# Altium PCB FYDP_rev1.PcbDoc
Units mil, origin at the board's own origin, x right, y up, seen from the top; angles counter-clockwise.
Board outline 1771.65 x 2559.06 mil, 4 copper layers (Top Layer, GND1, GND2, Bottom Layer), stack 61.811 mil thick; 73 components, 47 nets, 219 pads, 170 vias.
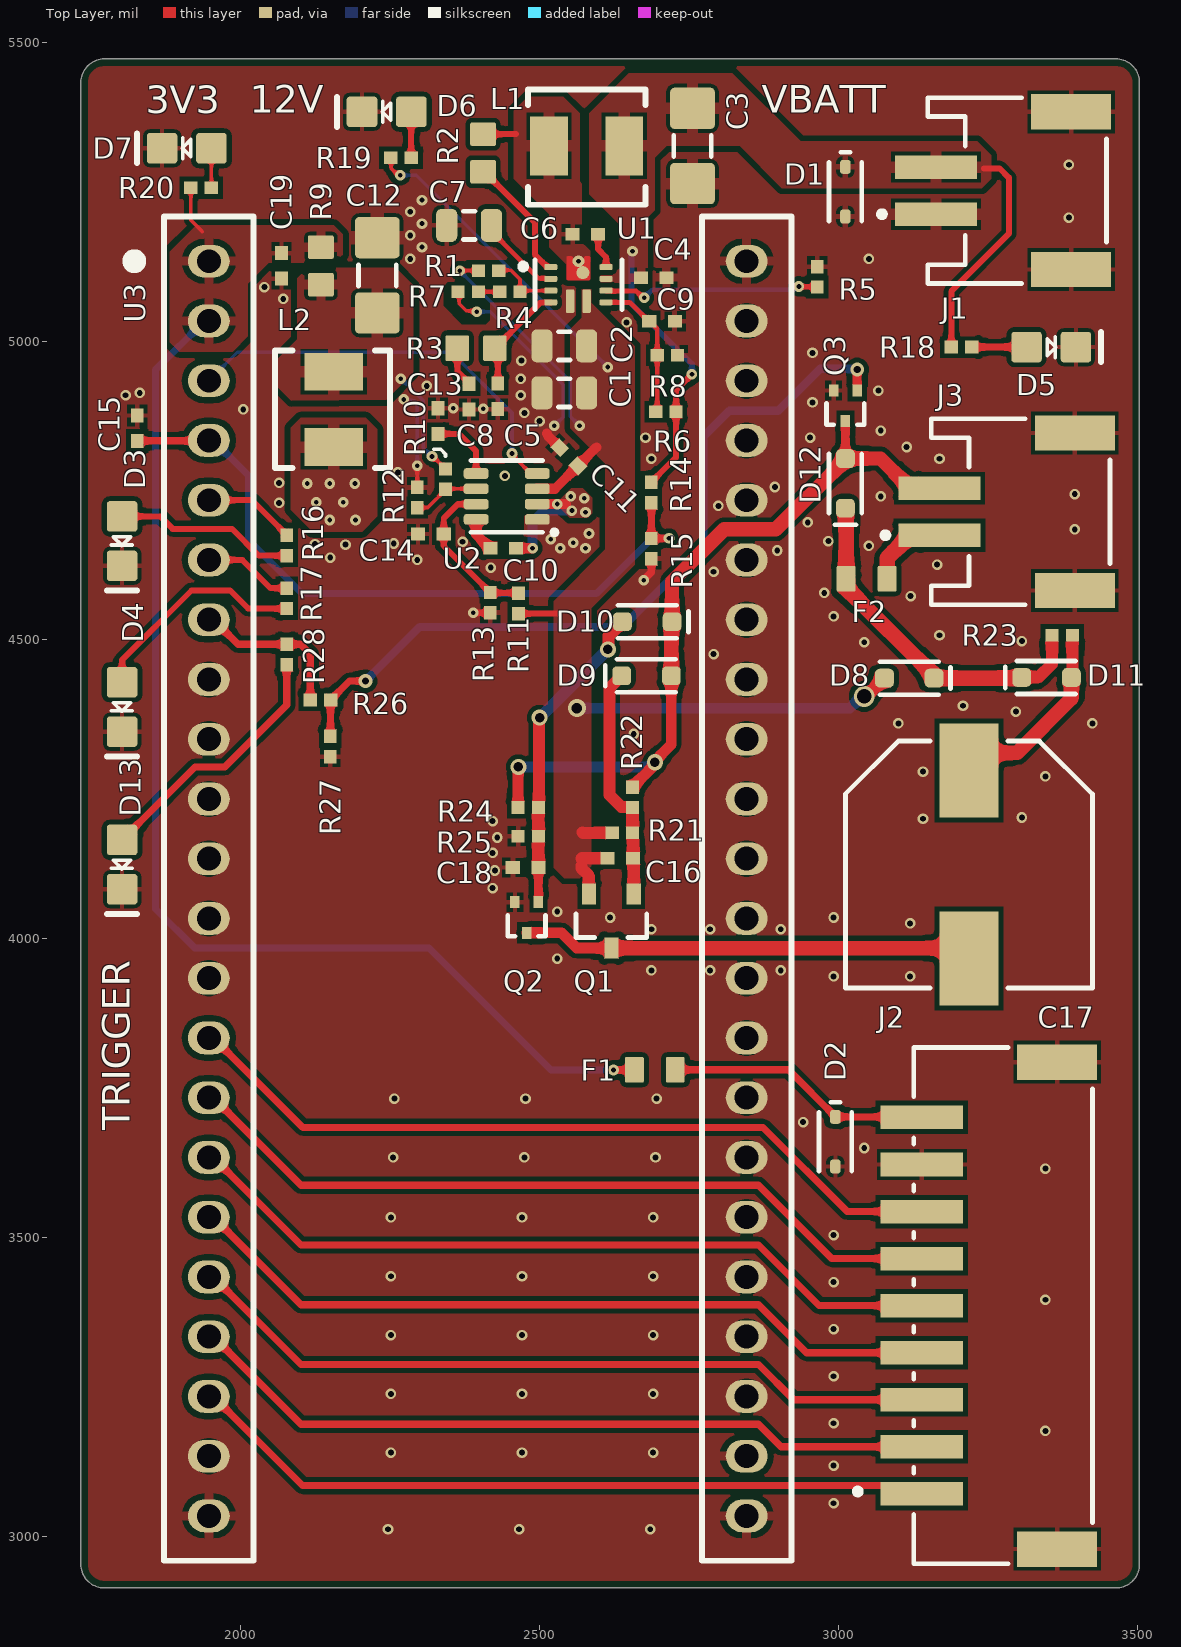
[diagram p0: Top Layer view]
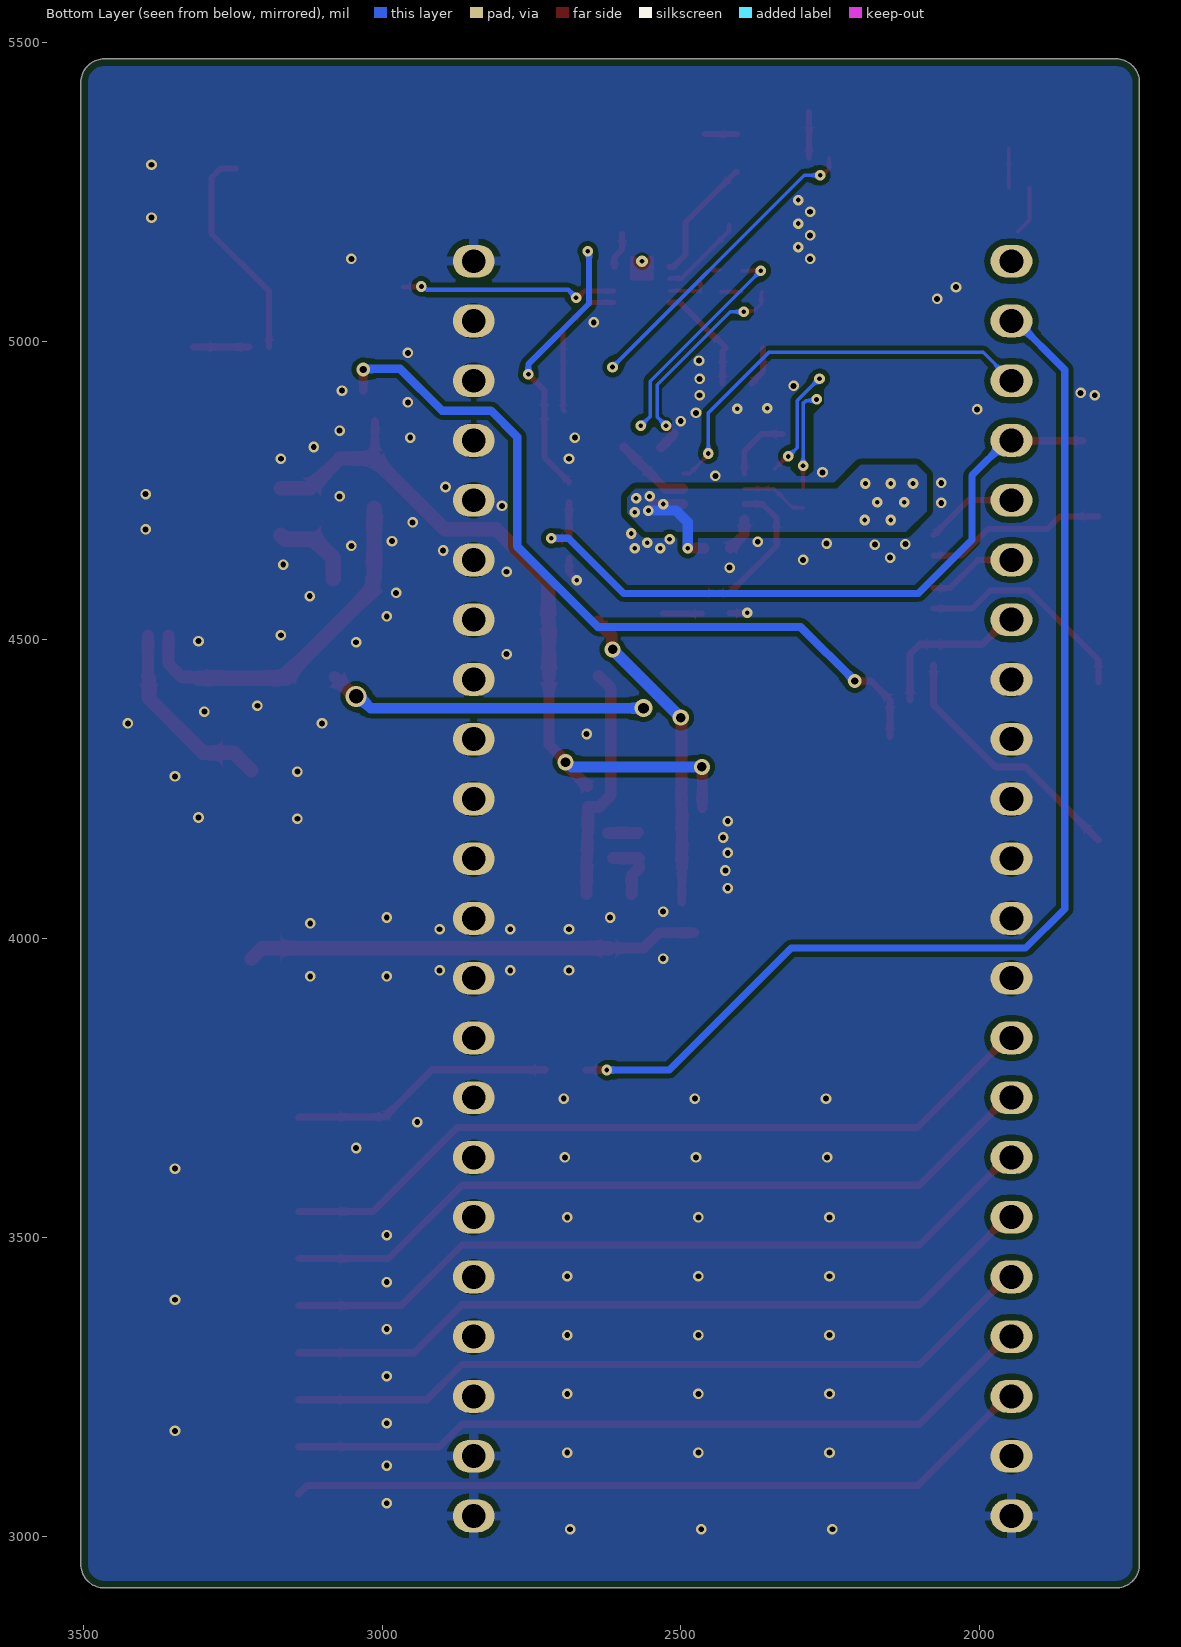
[diagram p1: Bottom Layer view, seen from below]
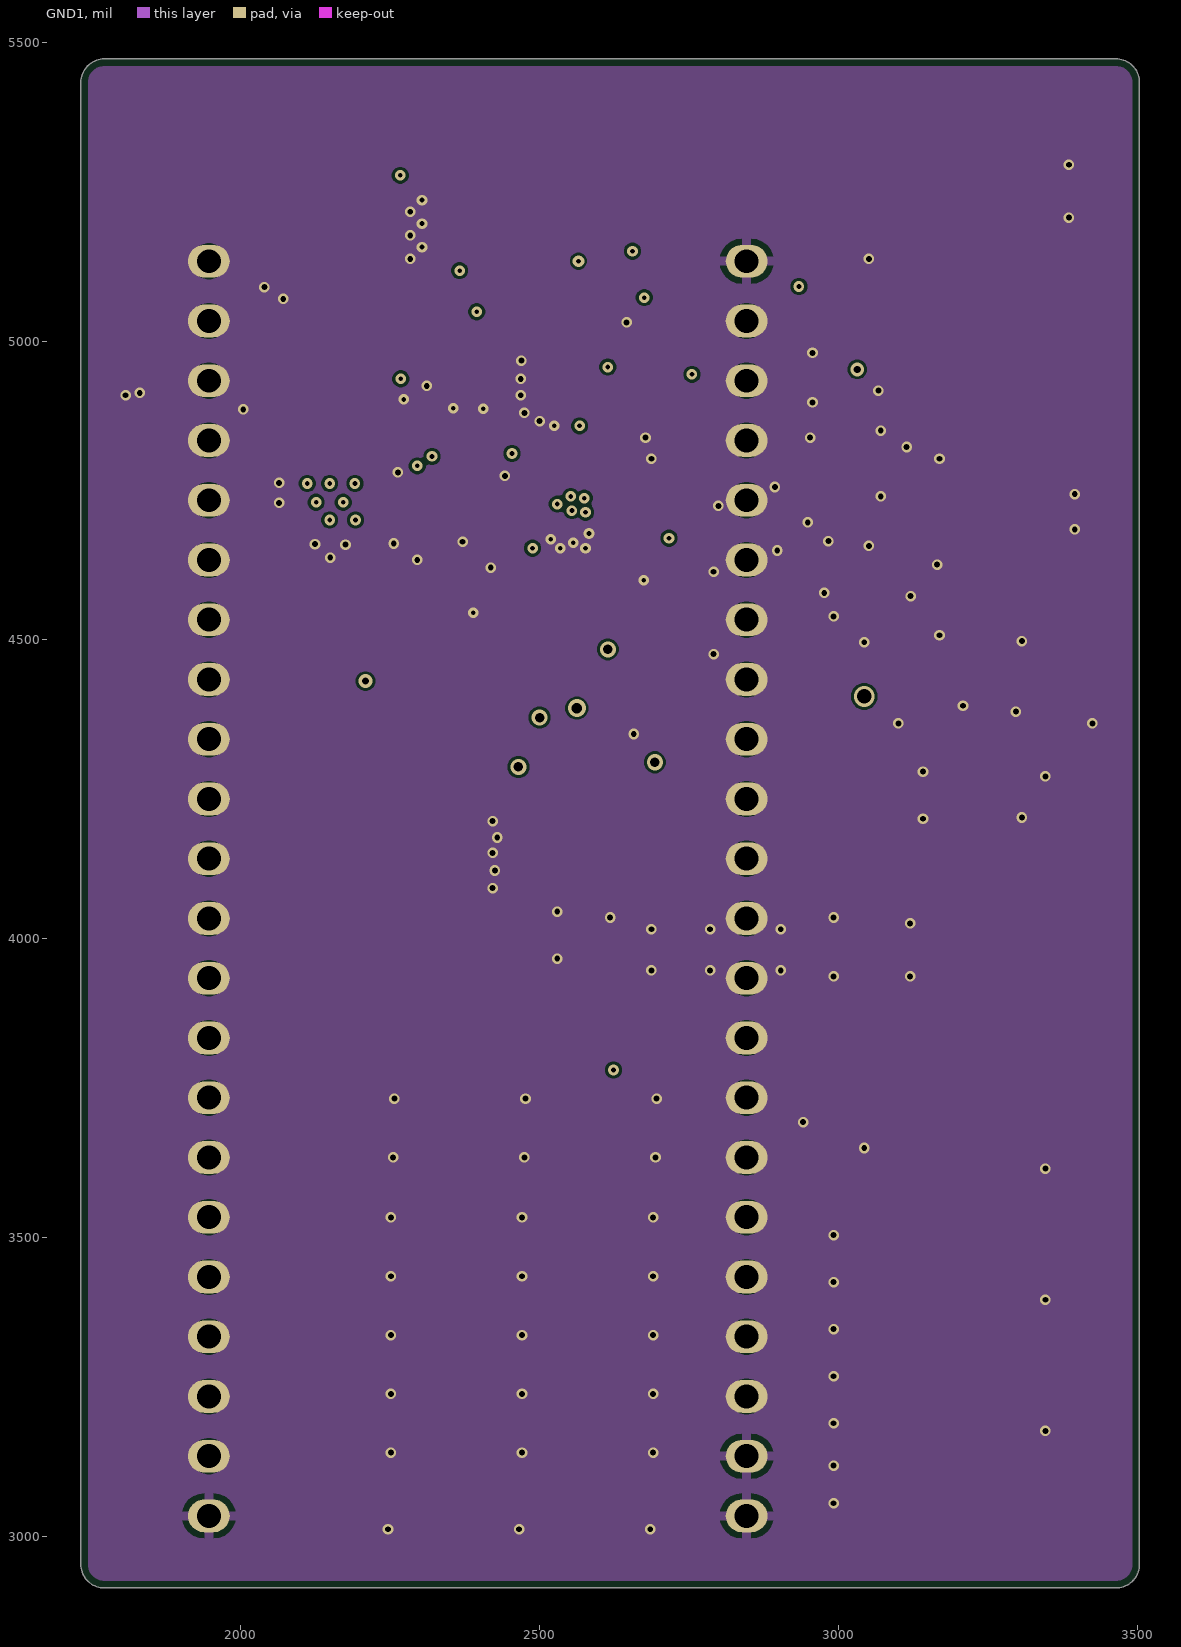
[diagram p2: GND1]
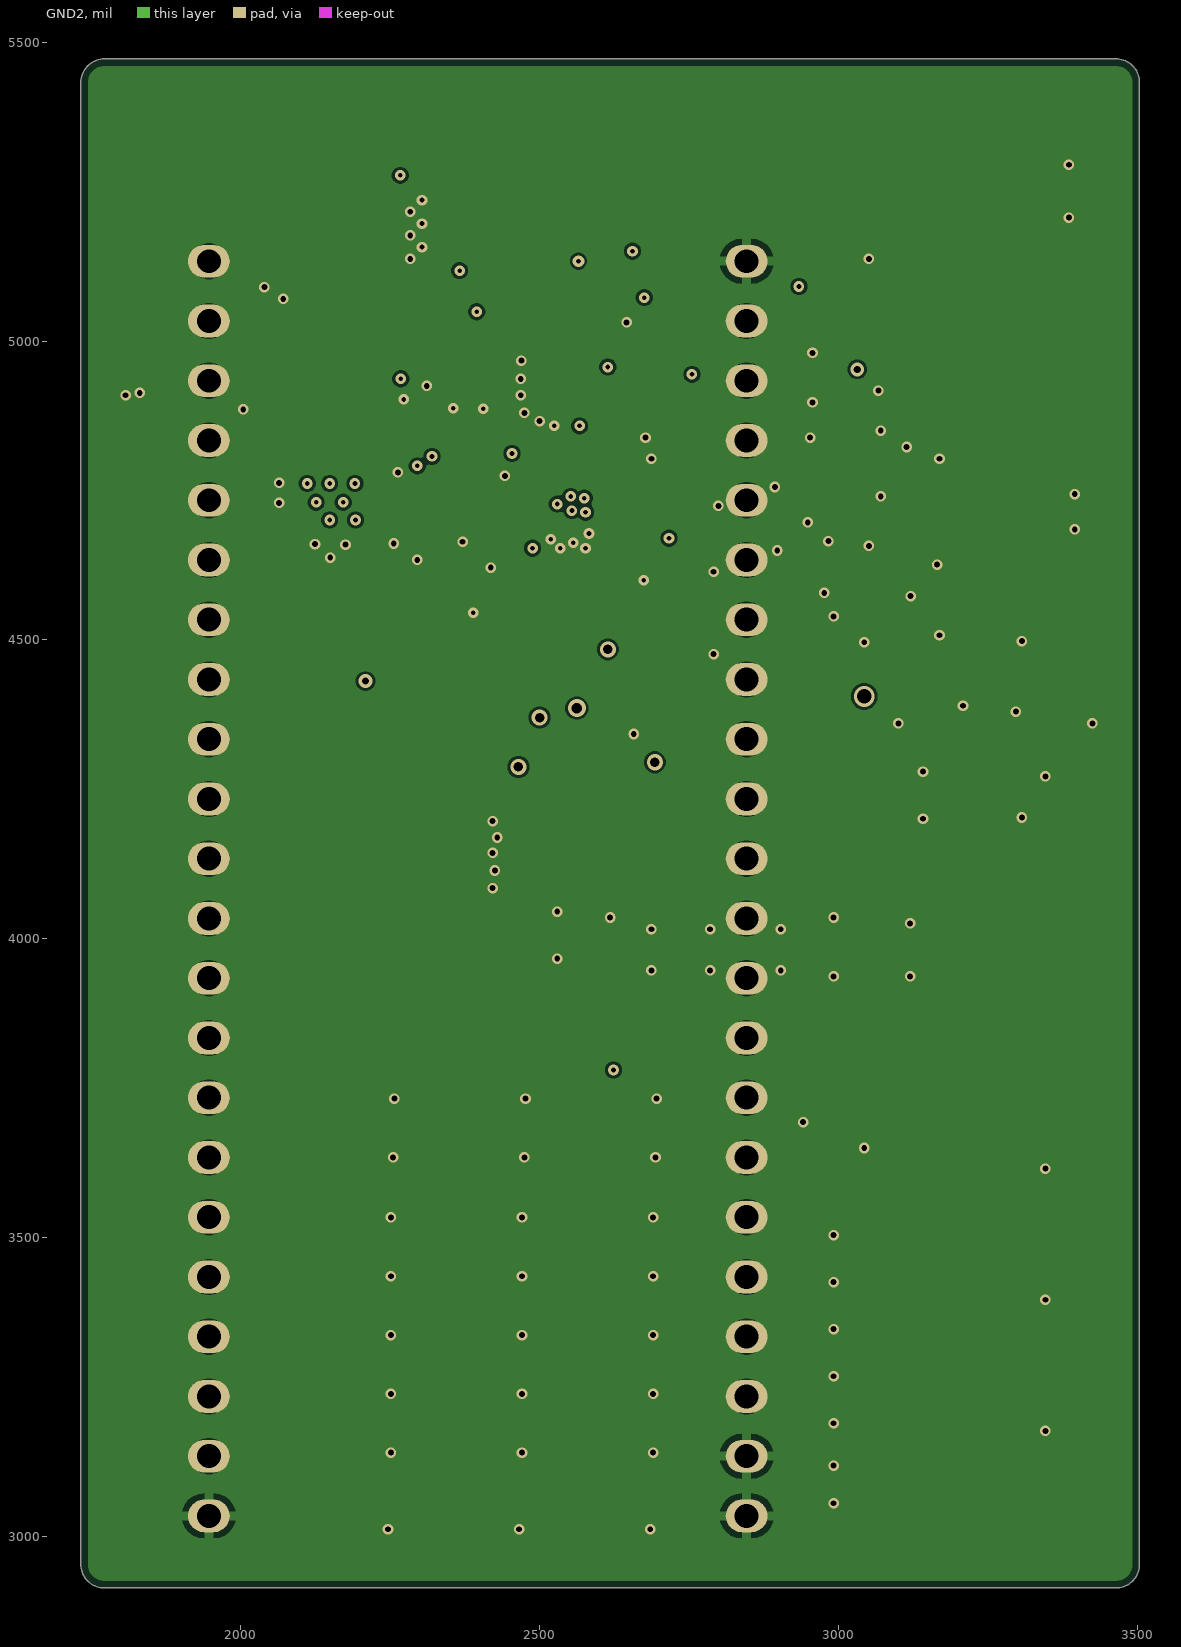
[diagram p3: GND2]
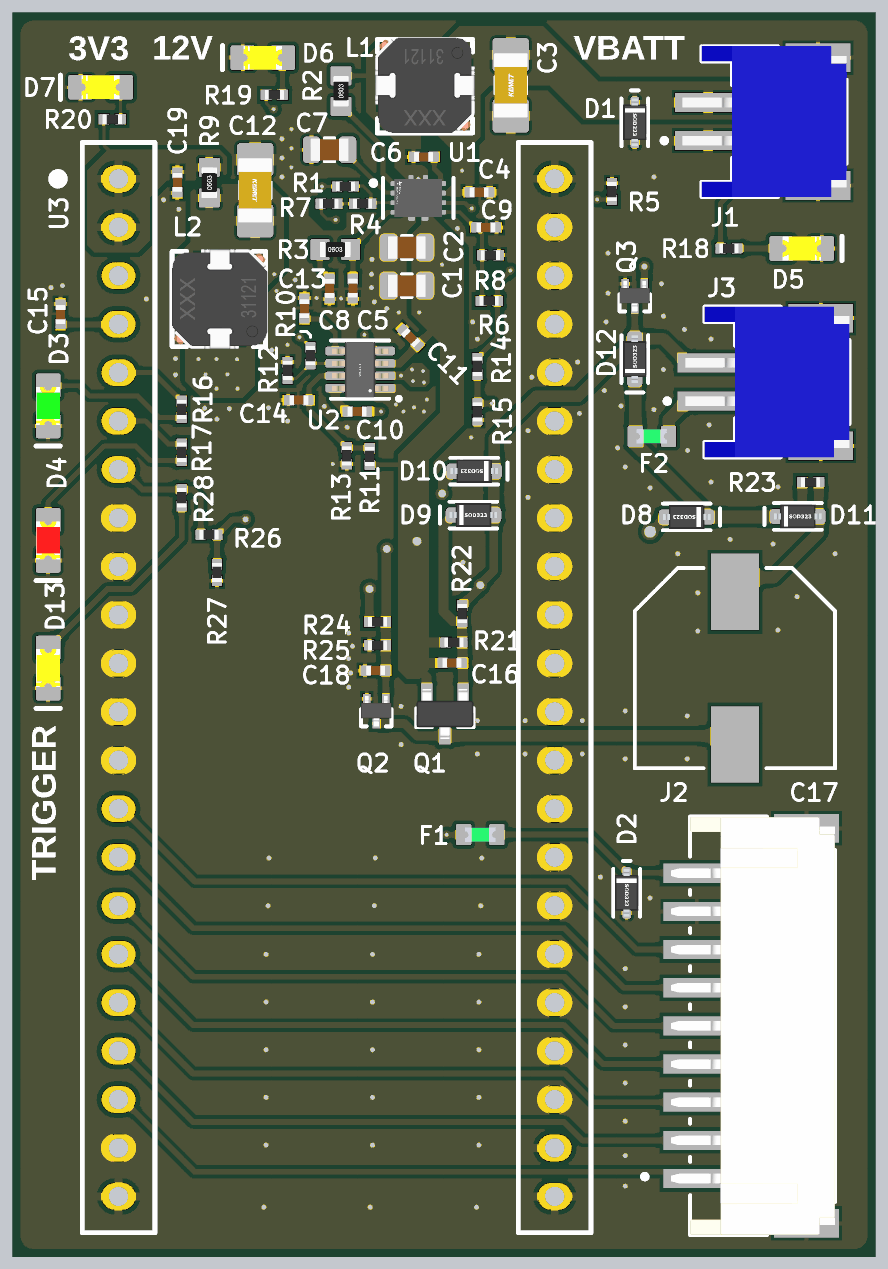
[diagram p4: 3D render of the assembled board from above, using the file's embedded part models]

## Layer stack, top to bottom
Top Solder: solder mask 0.5, Solder Resist, Dk 3.8
Top Layer: signal copper 1.378
Dielectric 1: prepreg 7.874, 7628, Dk 4.6
GND1: signal copper 0.689
Core: core 41.9291, FR-4, Dk 4.5
GND2: signal copper 0.689
Dielectric 2: prepreg 7.874, 7628, Dk 4.6
Bottom Layer: signal copper 1.378
Bottom Solder: solder mask 0.5, Solder Resist, Dk 3.8

## Board outline
1732.28,2952.76 1732.28,5433.07 cw(c1771.65,5433.07) 1771.65,5472.44 3464.57,5472.44 cw(c3464.57,5433.07) 3503.94,5433.07 3503.94,2952.76 cw(c3464.57,2952.76) 3464.57,2913.39 1771.65,2913.39 cw(c1771.65,2952.76)

## Design rules (kind name [scope] priority, off if disabled: settings)
BoardOutlineClearance [All] p1: gap=11.81 ignorepadtopadclearanceinfootprint=FALSE
Clearance [All] p1: gap=10 ignorepadtopadclearanceinfootprint=FALSE except(3.54: Arc-Arc Arc-Track Track-Track; 5: SMDPad-SMDPad; 7.87: Arc-SMDPad Arc-Via Arc-Fill Arc-Poly Arc-Region Track-SMDPad Track-Via Track-Fill Track-Poly Track-Region SMDPad-Via SMDPad-Fill SMDPad-Poly SMDPad-Region Via-Via Via-Fill Via-Poly Via-Region; 12.99: Arc-THPad Track-THPad; 19.68: SMDPad-THPad THPad-THPad)
ComponentClearance [All] p1: gap=4 collisioncheckmode=3 verticalgap=4 showdistances=TRUE donotcheckwithout3dbody=TRUE
DiffPairsRouting [All] p1: maxlimit=4 minlimit=4 mostfreqgap=4 toplayer_minwidth=4 toplayer_maxwidth=71497.94 toplayer_prefwidth=4 midlayer1_minwidth=4 midlayer1_maxwidth=71497.94 midlayer1_prefwidth=4 midlayer2_minwidth=4 midlayer2_maxwidth=71497.94 midlayer2_prefwidth=4 bottomlayer_minwidth=4 bottomlayer_maxwidth=71497.94 bottomlayer_prefwidth=4 maxuncoupledlength=500
Height [All] p1: minheight=0 maxheight=71497.94 prefheight=500
HoleSize [All] p1: absolutevalues=TRUE maxlimit=248.03 minlimit=5.91 maxpercent=80.000 minpercent=20.000
HoleToHoleClearance [All] p1: gap=9.84 allowstackedmicrovias=FALSE
MinimumAnnularRing MinimumAnnularRing_via [IsVia] p1: minimumring=2.95
MinimumAnnularRing [Not IsVia] p2: minimumring=5.12
MinimumSolderMaskSliver [All] p1: minsoldermaskwidth=0
PlaneClearance [All] p1: clearance=4
PolygonConnect [All] p1: thpad.connectstyle=Relief thpad.reliefconductorwidth=16 thpad.reliefentries=4 thpad.polygonreliefangle="90 Angle" thpad.airgapwidth=10 smdpad.connectstyle=Relief smdpad.reliefconductorwidth=8 smdpad.reliefentries=4 smdpad.polygonreliefangle="90 Angle" smdpad.airgapwidth=6 via.connectstyle=Direct via.reliefconductorwidth=10 via.reliefentries=4 via.polygonreliefangle="90 Angle" via.airgapwidth=10
RoutingVias [All] p1: holewidth=7.87 width=17.72 viastyle="Through Hole" minholewidth=7.87 minwidth=17.72 maxholewidth=248.03 maxwidth=257.87
SilkToSilkClearance [All] p1: silktosilkclearance=4.02
SilkToSolderMaskClearance [IsPad] p1: minsilkscreentomaskgap=4.92 clearancetoexposedcopper=TRUE
SolderMaskExpansion [All] p1: expansion=1.5 istentingtop=FALSE
UnRoutedNet [All] p1: checkbadconnections=TRUE
Width [All] p1: maxlimit=118.11 minlimit=3.54 preferedwidth=6
20 further rules are at their usual default settings.

## Classes and differential pairs
component class Power: C1 C2 C3 C4 C5 C6 C7 C8 C9 C10 C11 C12 C13 C14 D1 J1 L1 L2 R1 R2 R3 R4 R5 R6 R7 R8 R9 R10 R11 R12 R13 U1 U2
component class MCU: C15 C19 D2 D3 D4 D5 D6 D7 D13 F1 J2 R14 R15 R16 R17 R18 R19 R20 R28 U3
component class Driver: C16 C17 C18 D8 D9 D10 D11 D12 F2 J3 Q1 Q2 Q3 R21 R22 R23 R24 R25 R26 R27

## Components (designator, comment, footprint, x,y, rotation, side; value= is the part's Value field where it differs from the comment)
C1 "CL21A106KAYNNNE" CAP0805 2503.94,4913.39 r0 top
C2 "CL21A106KAYNNNE" CAP0805 2503.94,4992.13 r0 top
C3 "CL31A476MPHNNNE" CAP1206 2755.91,5326.77 r90 top
C4 "CL05B104KB54PNC" CAP0402 2712.6,5106.3 r180 top
C5 "0402CG470J500NT" CAP0402 2430,4886.22 r90 top
C6 "CL05B104KB54PNC" CAP0402 2598.04,5179.13 r180 top
C7 "CL21A106KAYNNNE" CAP0805 2344.49,5193.9 r0 top
C8 "0402B102K500NT" CAP0402 2381.89,4885.83 r90 top
C9 "CL05B104KB54PNC" CAP0402 2726.38,5033.46 r180 top
C10 "CL05B104KB54PNC" CAP0402 2460.63,4653.54 r180 top
C11 "CL05B104KB54PNC" CAP0402 2533.79,4821.52 r315 top
C12 "CL31A476MPHNNNE" CAP1206 2228.35,5110.24 r270 top
C13 "0402B223K500NT" CAP0402 2330,4887.8 r270 top
C14 "CL05B104KB54PNC" CAP0402 2296.65,4677.17 r0 top
C15 "CL05B104KB54PNC" CAP0402 1826.77,4875.6 r270 top
C16 "CL05B104KB54PNC" CAP0402 2656.5,4134.84 r180 top
C17 "UUD1E471MNL1GS" NIC-CAPA2-10X10_V 3218.5,4124.02 r270 top
C18 "CL05B104KB54PNC" CAP0402 2455.11,4119.09 r0 top
C19 "CL05B104KB54PNC" CAP0402 2067.91,5104.72 r90 top
D1 "SD05-7" SD05-7 3011.81,5291.73 r270 top
D2 "SD05-7" SD05-7 2995.08,3701.77 r270 top
D3 "KT-0805G" LED_0805_GREEN 1801.18,4665.35 r270 top
D4 "NCD0805R1" LED_0805_RED 1801.18,4387.8 r270 top
D5 "KT-0805Y" LED_0805_YELLOW 3356.3,4990.16 r0 top
D6 "KT-0805Y" LED_0805_YELLOW 2244.09,5383.86 r180 top
D7 "KT-0805Y" LED_0805_YELLOW 1909.45,5322.83 r180 top
D8 "RB551V-40" SOD-323 3160.24,4436.02 r180 top
D9 "RB551V-40" SOD-323 2637.4,4439.96 r0 top
D10 "RB551V-40" SOD-323 2721.71,4530.51 r180 top
D11 "RB551V-40" SOD-323 3306.91,4437.23 r0 top
D12 "RB551V-40" SOD-323 3011.81,4720.47 r90 top
D13 "KT-0805Y" LED_0805_YELLOW 1801.18,4124.02 r270 top
F1 "0467001.NRHF" FUSE_0603 2692.91,3780.51 r180 top
F2 "0467001.NRHF" FUSE_0603 3047.24,4602.36 r0 top
J1 "S2B-PH-SM4-TB(LF)(SN)" "JST- S2B-PH-SM4-TB(LF)(SN)-2_V" 3299.21,5251.97 r90 top
J2 "S9B-PH-SM4-TB(LF)(SN)" FP-S9B-PH-SM4-TB_LF_SN-MFG 3275.59,3385.83 r270 top
J3 "S2B-PH-SM4-TB(LF)(SN)" "JST- S2B-PH-SM4-TB(LF)(SN)-2_V" 3305.12,4714.57 r90 top
L1 "TMPA0503S-3R3MN-D" TMPA0503S-3R3MN-D 2641.73,5326.77 r180 top
L2 "TMPA0503S-3R3MN-D" TMPA0503S-3R3MN-D 2155.51,4822.83 r90 top
Q1 "IRLML5103TRPBF" SOT23-3 2620.08,4029.53 r270 top
Q2 "DMN62D0UT-7" SOT-523 2478.35,4035.43 r180 top
Q3 "DMN62D0UT-7" SOT-523 3011.81,4891.73 r180 top
R1 "0402WGF1004TCE" RES0402 2431.72,5118.11 r180 top
R2 "0603WAF3303T5E" RES0603 2405.5,5283.47 r90 top
R3 "0603WAF2402T5E" RES0603 2362.2,4988.19 r0 top
R4 "0402WGF1003TCE" RES0402 2433.07,5082.68 r0 top
R5 "0402WGF1004TCE" RES0402 2964.57,5124.63 r270 top
R6 "0402WGF1502TCE" RES0402 2694.27,4881.89 r0 top
R7 "0402WGF1002TCE" RES0402 2363.56,5082.68 r0 top
R8 "0402WGF1002TCE" RES0402 2730.93,4976.38 r180 top
R9 "0603WAF0000T5E" RES0603 2133.85,5094.49 r90 top
R10 "0402WGF3302TCE" RES0402 2342.52,4751.97 r90 top
R11 "0402WGF5102TCE" RES0402 2464.57,4578 r270 top
R12 "0402WGF1002TCE" RES0402 2295.28,4755.54 r270 top
R13 "0402WGF1002TCE" RES0402 2417.32,4545.28 r90 top
R14 "0402WGF1002TCE" RES0402 2687.01,4763.78 r270 top
R15 "0402WGF3302TCE" RES0402 2687.01,4669.91 r270 top
R16 "0402WGF3300TCE" RES0402 2076.77,4641.12 r90 top
R17 "0402WGF5100TCE" RES0402 2076.77,4552.53 r90 top
R18 "0402WGF5100TCE" RES0402 3223.06,4990.16 r180 top
R19 "0402WGF2201TCE" RES0402 2285.06,5307.09 r180 top
R20 "0402WGF3300TCE" RES0402 1950.42,5256.89 r180 top
R21 "0402WGF5102TCE" RES0402 2655.51,4177.17 r180 top
R22 "0402WGF5100TCE" RES0402 2655.51,4219.49 r90 top
R23 "0402WGF1002TCE" RES0402 3391.73,4507.87 r180 top
R24 "0402WGF5100TCE" RES0402 2498.03,4219.49 r180 top
R25 "0402WGF5102TCE" RES0402 2463.95,4171.26 r0 top
R26 "0402WGF1000TCE" RES0402 2116.14,4399.61 r0 top
R27 "0402WGF1002TCE" RES0402 2149.61,4304.5 r90 top
R28 "0402WGF3300TCE" RES0402 2076.77,4458.66 r90 top
U1 "TPS61089RNRR" FP-RNR0011A-MFG 2564.96,5094.49 r0 top
U2 "TPS563210ADDFR" TPS563210ADDFR 2444.88,4740.16 r180 top
U3 "ESP32-S3-WROOM-2-N32R8V" EPS32-S3-DevKitC 1946.46,5133.86 r0 top locked
